# Altium PCB 电解模块主控板SC_V1.1_ZM_20211015.PcbDoc (part 3 of 4) (continued)
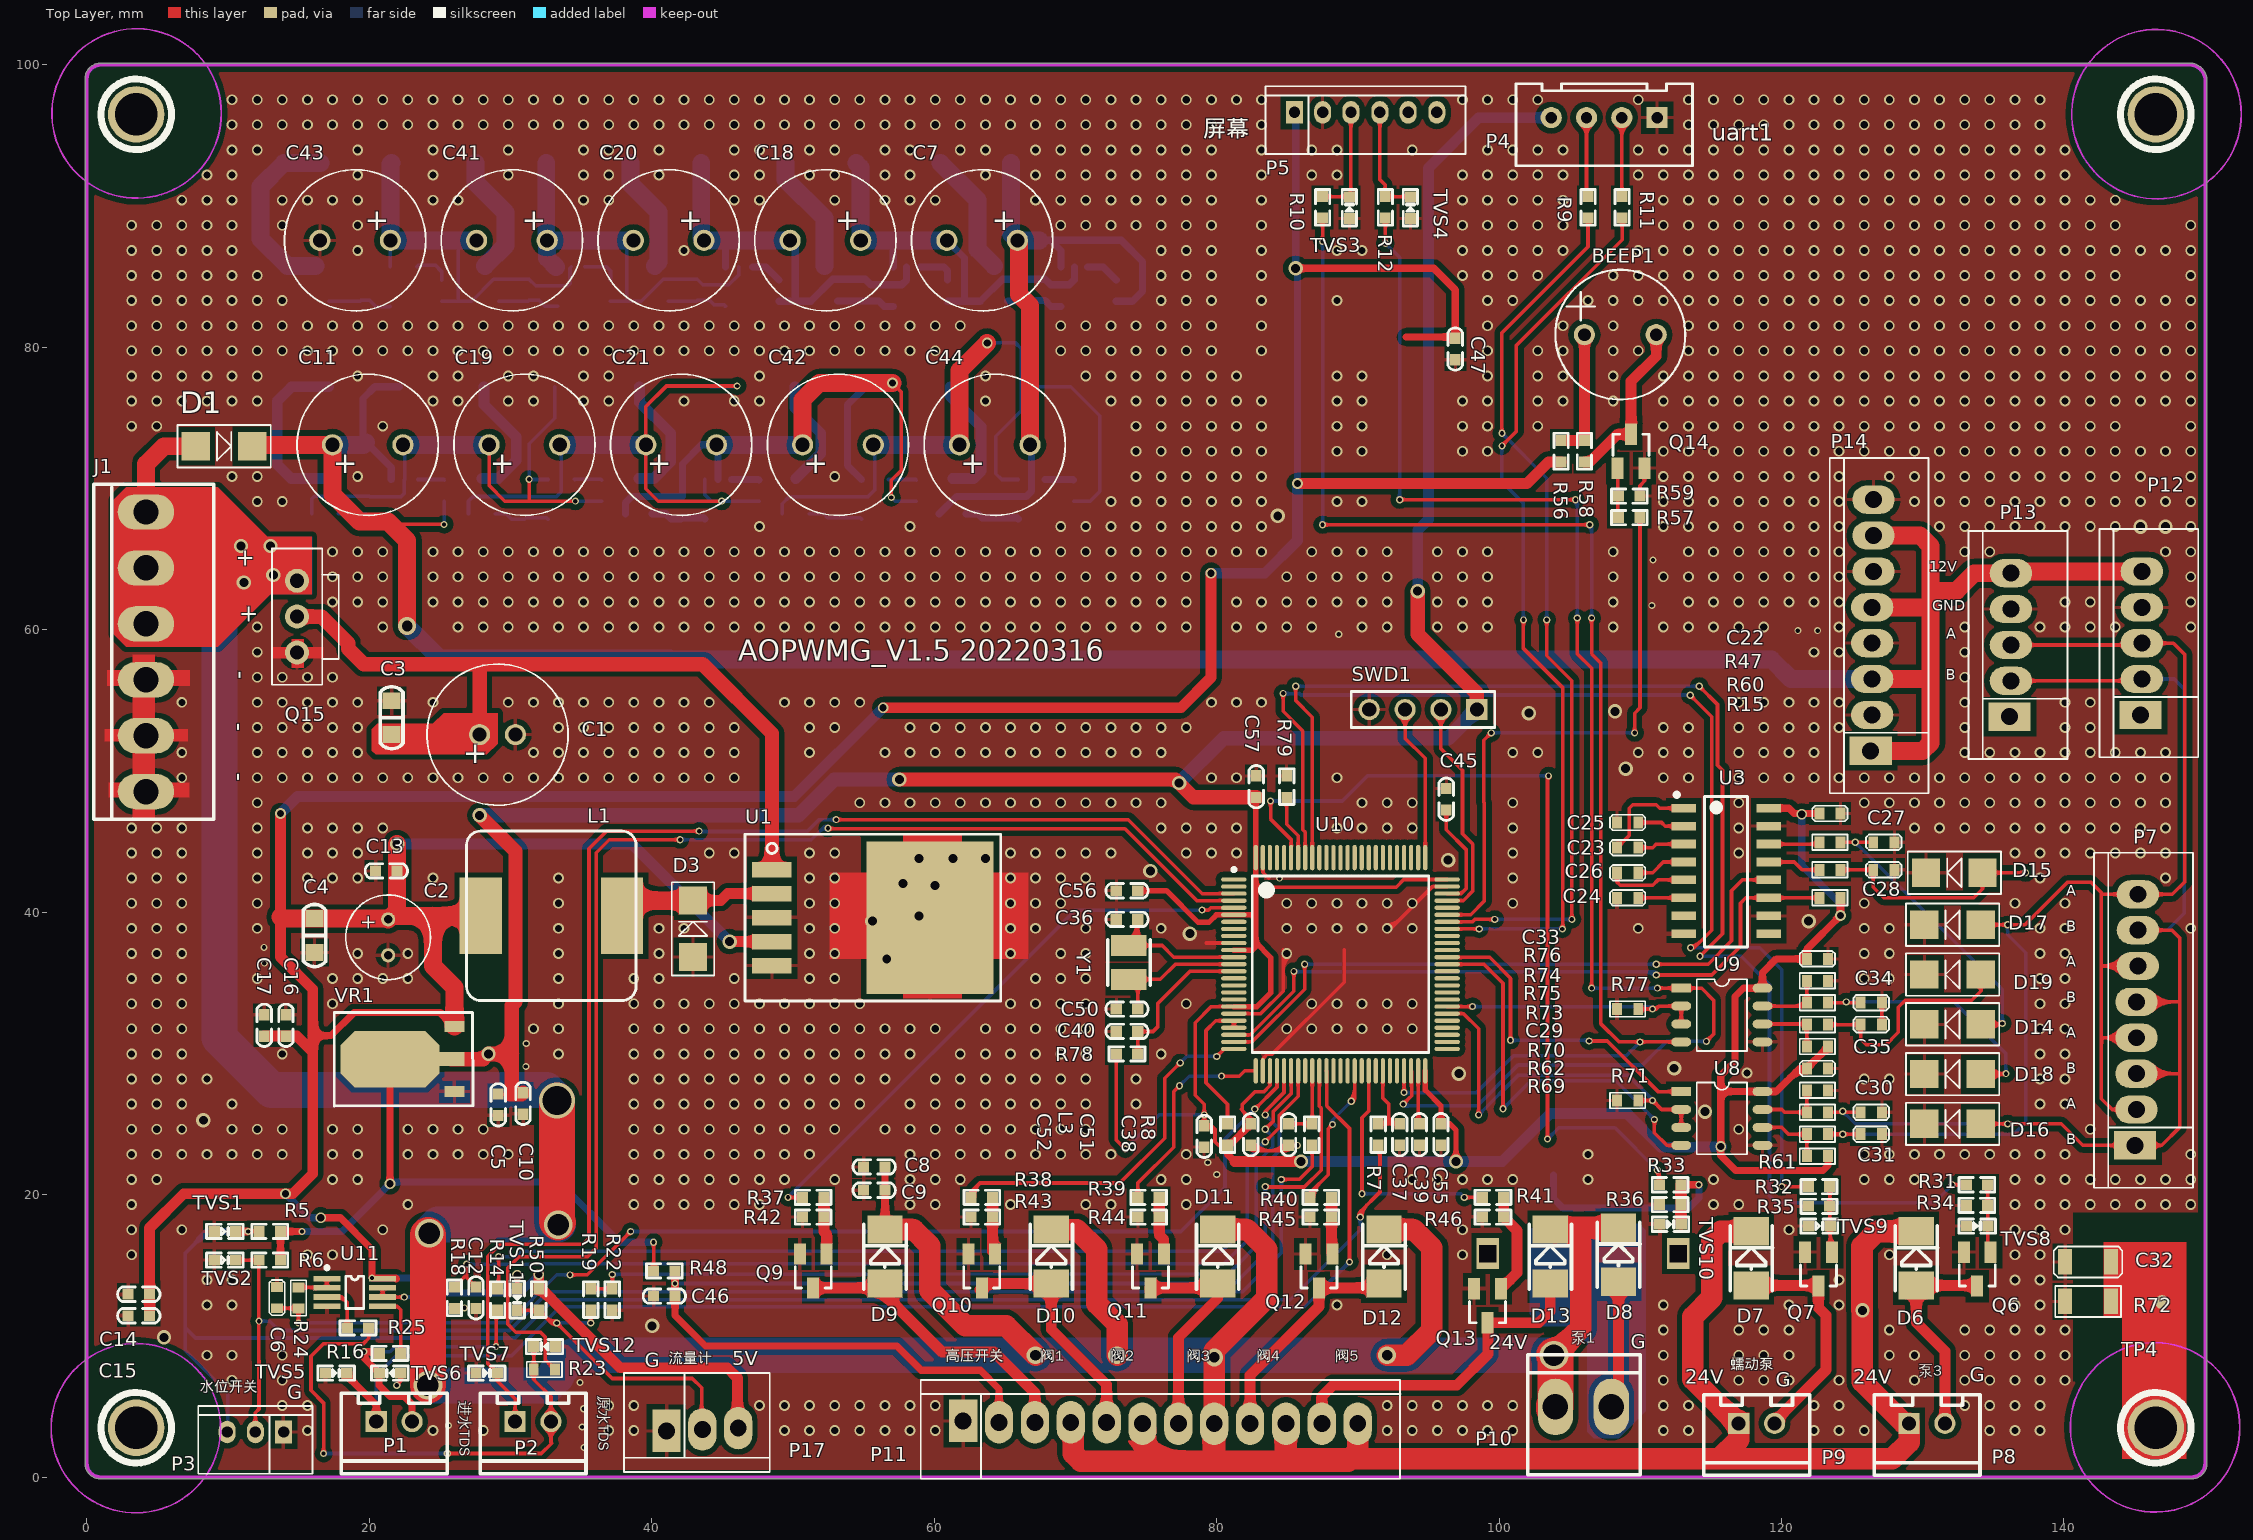
[diagram p0: Top Layer view]
## Nets (pads, with @x,y where several pads share a name; then routed paths per layer and width w, separated by ;. In a path a pad name is that pad's centre, name@x,y a point inside that pad or via, vN(x,y) a via of type N, cw(c..) or ccw(c..) an arc to the next point about the centre after c; other vN are vias at no path point) (continued)
  Bottom Layer w0.254: v2(98.592,38.822) v2(104.481,38.822) ; v2@98.682,38.732 cw(c98.899,38.515) 98.899,38.822 cw(c98.899,39.129) v2@98.682,38.912 ; v2@100.113,72.935 cw(c99.896,72.718) 100.203,72.718 cw(c100.51,72.718) v2@100.293,72.935 ; v2(100.203,73.025) 100.203,70.485 101.727,68.961 v2(101.727,60.706) ; v2@101.637,60.796 ccw(c101.42,61.013) 101.727,61.013 ccw(c102.034,61.013) v2@101.817,60.796 ; v2@104.391,38.732 ccw(c104.174,38.515) 104.174,38.822 ccw(c104.174,39.129) v2@104.391,38.912
NetR14_1: R14.1 U10.32 | length 71.6
  Top Layer w0.254: R14.1@28.903,13.534 ccw(c28.286,14.151) 29.159,14.151 ; v2@29.069,15.531 cw(c28.853,15.314) 29.159,15.314 cw(c29.466,15.314) v2@29.249,15.531 ; R14.1@29.083,13.335 29.159,13.411 v2(29.159,15.621) ; 29.159,13.783 ccw(c29.512,13.783) R14.1@29.263,13.534 ; v2(83.439,23.749) 84.43,24.74 84.43,25.629 85.773,26.972 U10.32@85.773,28.772 ; v2@83.439,23.876 ccw(c83.439,24.183) 83.656,23.966 ccw(c83.873,23.749) v2@83.566,23.749
  Bottom Layer w0.254: v2(29.159,15.621) 30.353,15.621 30.734,16.002 80.391,16.002 82.169,17.78 82.169,22.479 v2(83.439,23.749) ; v2@29.249,15.531 cw(c29.466,15.314) 29.466,15.621 cw(c29.466,15.928) v2@29.249,15.711 ; v2@83.312,23.749 cw(c83.005,23.749) 83.222,23.532 cw(c83.439,23.315) v2@83.439,23.622
NetR16_2: R16.2 U11.5 | length 5.9
  Top Layer w0.254: U11.5@20.949,12.106 21.981,12.106 22.225,11.862 R16.2@22.225,8.763 ; U11.5@21.728,12.039 cw(c21.871,11.714) 22.122,11.965 ; R16.2@22.045,8.943 ccw(c21.612,9.376) 22.225,9.376 ccw(c22.838,9.376) R16.2@22.405,8.943
NetR18_2: R18.2 U11.6 U11.7 | length 9.4
  Top Layer w0.254: U11.6@20.949,12.756 U11.7@20.949,13.406 ; 21.914,12.756 21.919,12.751 v2(22.479,12.751) ; v2@22.389,12.661 ccw(c22.172,12.444) 22.172,12.751 ccw(c22.172,13.057) v2@22.389,12.841 ; R18.2@26.035,11.938 26.086,11.989 v2(26.746,11.989) ; R18.2@26.215,11.777 cw(c26.725,11.267) v2@26.725,11.989 ; R18.2@26.215,12.137 ccw(c26.571,12.493) v2@26.571,11.989 ; v2@26.656,11.899 ccw(c26.44,11.682) 26.44,11.989 ccw(c26.44,12.295) v2@26.656,12.079
  Bottom Layer w0.254: v2(22.479,12.751) 24.323,12.751 24.328,12.756 25.095,11.989 v2(26.746,11.989) ; v2@22.569,12.661 cw(c22.786,12.444) 22.786,12.751 cw(c22.786,13.057) v2@22.569,12.841 ; v2@26.656,11.899 ccw(c26.44,11.682) 26.44,11.989 ccw(c26.44,12.295) v2@26.656,12.079
NetR19_2: R19.2 R22.2 U10.35 | length 69.5
  Top Layer w0.254: R19.2@35.687,13.335 R22.2@37.211,13.335 v2(37.211,14.351) ; R19.2@35.867,13.155 cw(c36.3,12.722) 36.3,13.335 cw(c36.3,13.948) R19.2@35.867,13.515 ; R22.2@37.031,13.155 ccw(c36.598,12.722) 36.598,13.335 ccw(c36.598,13.948) R22.2@37.031,13.515 ; R22.2@37.031,13.534 ccw(c36.598,13.967) 37.211,13.967 ccw(c37.824,13.967) R22.2@37.391,13.534 ; v2@37.121,14.261 cw(c36.904,14.044) 37.211,14.044 cw(c37.518,14.044) v2@37.301,14.261 ; v2(83.439,20.574) 83.464,20.549 86.208,20.549 87.401,21.742 87.401,26.137 87.273,26.265 U10.35@87.273,28.772 ; v2@83.529,20.664 ccw(c83.807,20.942) 83.807,20.549
  Bottom Layer w0.254: v2(37.211,14.351) 80.835,14.414 83.439,17.018 v2@83.439,20.447 ; v2@37.301,14.261 cw(c37.518,14.045) 37.518,14.351 cw(c37.517,14.658) v2@37.301,14.441 ; v2@83.349,20.484 cw(c83.132,20.267) 83.439,20.267 cw(c83.746,20.267) v2@83.529,20.484
NetR23_1: R23.1 U10.4 | length 95.1
  Top Layer w0.254: R23.1@33.147,7.62 32.461,8.306 32.461,9.931 32.131,10.262 30.378,10.262 29.82,10.82 29.82,14.834 30.582,15.596 35.433,15.596 36.068,16.231 36.068,44.221 36.982,45.136 v2(42.012,45.136) ; v2@41.922,45.046 ccw(c41.705,44.829) 41.705,45.136 ccw(c41.705,45.442) v2@41.922,45.226 ; v2(52.476,45.949) 52.502,45.923 73.508,45.923 78.609,40.822 U10.4@81.223,40.822 ; v2@52.566,46.038 ccw(c52.844,46.317) 52.844,45.923
  Bottom Layer w0.254: v2(42.012,45.136) 51.308,45.136 52.121,45.949 v2(52.476,45.949) ; v2@42.101,45.046 cw(c42.318,44.829) 42.318,45.136 cw(c42.318,45.442) v2@42.101,45.226 ; 51.943,45.771 cw(c52.223,45.491) v2@52.415,45.837 ; 52.182,46.009 cw(c52.393,45.798) v2@52.538,46.06 ; v2@52.387,45.859 ccw(c52.17,45.642) 52.17,45.949 ccw(c52.17,46.255) v2@52.387,46.038
NetR24_2: R24.2 U11.1 U11.2 | length 3.7
  Top Layer w0.254: R24.2@14.986,13.438 U11.2@16.999,13.438 ; R24.2@15.219,13.28 cw(c15.599,12.9) 15.599,13.438 cw(c15.599,13.976) R24.2@15.219,13.596 ; 15.995,13.438 cw(c15.995,13.153) U11.2@16.197,13.354 ; U11.2@16.999,13.406 U11.2@16.999,13.438 ; U11.1@16.999,14.056 U11.2@16.999,13.438
NetR25_2: R25.2 U11.3 | length 5.6
  Top Layer w0.254: U11.3@16.999,12.756 18.054,12.756 18.44,12.37 R25.2@18.44,10.566 ; U11.3@17.749,12.683 cw(c17.749,11.769) 18.395,12.415 ; U11.3@17.777,12.689 cw(c17.928,12.325) 18.207,12.603 ; R25.2@18.261,10.746 ccw(c17.827,11.18) 18.44,11.18 ccw(c19.054,11.18) R25.2@18.62,10.746
NetR26_2: R26.2 U2.3 | length 1.9
  Bottom Layer w0.254: U2.3@23.454,70.644 25.285,70.644 R26.2@25.324,70.605
NetR27_2: R27.2 U4.3 | length 2.4
  Bottom Layer w0.508: U4.3@70.876,85.7 71.97,85.7 R27.2@72.898,84.772
NetR31_2: R31.2 U10.92 | length 101.9
  Top Layer w0.254: v2@85.508,55.917 cw(c85.291,55.7) 85.598,55.7 cw(c85.905,55.7) v2@85.688,55.917 ; v2(85.598,56.007) 85.598,54.991 86.773,53.816 U10.92@86.773,43.872 ; v2@114.173,55.88 cw(c114.173,55.573) 114.39,55.79 cw(c114.607,56.007) v2@114.3,56.007 ; v2(114.173,56.007) 115.468,54.712 115.468,50.419 115.824,50.063 115.824,38.481 v2(114.224,36.881) ; v2@114.224,37.008 ccw(c114.224,37.314) 114.441,37.098 ccw(c114.657,36.881) v2@114.351,36.881 ; v2(132.08,20.701) R31.2@133.071,20.701 ; v2@132.17,20.611 cw(c132.387,20.394) 132.387,20.701 cw(c132.387,21.008) v2@132.17,20.791 ; R31.2@132.872,20.521 ccw(c132.438,20.088) 132.438,20.701 ccw(c132.438,21.314) R31.2@132.872,20.881
  Bottom Layer w0.254: v2(85.598,56.007) v2(114.173,56.007) ; v2@85.688,55.917 cw(c85.905,55.7) 85.905,56.007 cw(c85.905,56.314) v2@85.688,56.097 ; v2@114.083,55.917 ccw(c113.866,55.7) 113.866,56.007 ccw(c113.866,56.314) v2@114.083,56.097 ; v2(114.224,36.881) 117.145,36.881 119.151,34.874 119.151,19.914 119.634,19.431 130.81,19.431 v2(132.08,20.701) ; v2@114.314,36.791 cw(c114.53,36.574) 114.53,36.881 cw(c114.53,37.187) v2@114.314,36.971 ; v2@131.953,20.701 cw(c131.646,20.701) 131.863,20.484 cw(c132.08,20.267) v2@132.08,20.574
NetR32_2: R32.2 U10.93 | length 89.7
  Top Layer w0.254: v2@84.619,55.409 cw(c84.402,55.192) 84.709,55.192 cw(c85.016,55.192) v2@84.799,55.409 ; v2(84.709,55.499) 84.709,54.229 86.106,52.832 86.106,45.847 86.273,45.68 U10.93@86.273,43.872 ; v2@113.538,55.245 cw(c113.538,54.938) 113.755,55.155 cw(c113.972,55.372) v2@113.665,55.372 ; v2(113.538,55.372) 115.062,53.848 115.062,38.735 113.817,37.49 v2(113.563,37.49) ; v2@113.563,37.617 ccw(c113.563,38.537) 114.214,37.887 ; v2(120.015,20.574) R32.2@121.895,20.574 ; v2@120.105,20.484 cw(c120.322,20.267) 120.322,20.574 cw(c120.322,20.881) v2@120.105,20.664 ; R32.2@121.696,20.394 ccw(c121.262,19.961) 121.262,20.574 ccw(c121.262,21.187) R32.2@121.696,20.754
  Bottom Layer w0.254: v2(84.709,55.499) 84.734,55.474 85.819,55.474 85.844,55.499 85.958,55.385 113.525,55.385 v2(113.538,55.372) ; v2@84.799,55.589 ccw(c85.077,55.867) 85.077,55.474 ; 113.199,55.385 cw(c113.199,55.033) v2@113.448,55.282 ; 113.264,55.385 ccw(c113.264,55.646) v2@113.448,55.462 ; v2(113.563,37.49) 118.466,37.49 120.015,35.941 v2(120.015,20.574) ; v2@113.653,37.401 cw(c113.87,37.184) 113.87,37.49 cw(c113.87,37.797) v2@113.653,37.58 ; v2@119.925,20.664 ccw(c119.708,20.881) 120.015,20.881 ccw(c120.322,20.881) v2@120.105,20.664
NetR33_2: R33.2 U10.95 | length 66.4
  Top Layer w0.254: v2@83.73,47.789 cw(c83.513,47.572) 83.82,47.572 cw(c84.127,47.572) v2@83.91,47.789 ; v2(83.82,47.879) 83.82,46.609 85.273,45.156 U10.95@85.273,43.872 ; v2@103.339,24.042 ccw(c103.122,24.259) 103.429,24.259 ccw(c103.735,24.259) v2@103.519,24.042 ; v2(103.429,23.952) 103.429,49.581 v2(103.505,49.657) ; 103.429,49.166 cw(c103.996,49.166) v2@103.595,49.567 ; v2@111.111,21.653 cw(c110.527,21.068) R33.2@111.354,21.068 ; R33.2@111.174,20.881 ccw(c110.74,21.314) 111.354,21.314 ccw(c111.967,21.314) R33.2@111.533,20.881 ; v2@111.185,21.616 cw(c111.16,21.424) 111.354,21.424 ; v2@111.201,21.615 111.354,21.463 R33.2@111.354,20.701
  Bottom Layer w0.254: v2(83.82,47.879) 88.9,47.879 90.678,49.657 v2(103.505,49.657) ; v2@83.91,47.789 cw(c84.127,47.572) 84.127,47.879 cw(c84.127,48.186) v2@83.91,47.969 ; v2@103.415,49.567 ccw(c103.198,49.35) 103.198,49.657 ccw(c103.198,49.964) v2@103.415,49.747 ; v2(103.429,23.952) 104.216,24.74 108.204,24.74 v2(111.201,21.742) ; v2@103.429,24.079 ccw(c103.429,24.386) 103.646,24.169 ccw(c103.862,23.952) v2@103.556,23.952 ; v2@111.074,21.742 ccw(c110.768,21.742) 110.984,21.959 ccw(c111.201,22.176) v2@111.201,21.869 ; v2@111.125,21.666 v2@111.201,21.59
NetR37_2: R37.2 U10.5 | length 43
  Top Layer w0.254: v2(49.657,19.812) R37.2@50.673,19.812 ; v2@49.747,19.722 cw(c49.964,19.505) 49.964,19.812 cw(c49.964,20.119) v2@49.747,19.902 ; R37.2@50.474,19.632 ccw(c50.041,19.199) 50.041,19.812 ccw(c50.041,20.425) R37.2@50.474,19.992 ; v2(78.969,40.157) 79.419,40.157 79.584,40.322 U10.5@81.223,40.322 ; v2@79.058,40.068 cw(c79.275,39.851) 79.275,40.157 cw(c79.275,40.464) v2@79.058,40.247
  Bottom Layer w0.254: v2(49.657,19.812) 70.002,40.157 v2(78.969,40.157)
NetR38_2: R38.2 U10.25 | length 29.6
  Top Layer w0.254: R38.2@62.611,19.812 62.611,20.193 63.246,20.828 ; R38.2@62.63,19.812 cw(c63.422,19.88) 62.86,20.442 ; R38.2@62.883,19.834 cw(c64.133,19.941) 63.246,20.828 ; v2@77.292,29.337 cw(c76.986,29.337) 77.202,29.12 cw(c77.419,28.903) v2@77.419,29.21 ; v2(77.419,29.337) 76.327,28.245 76.327,24.003 73.152,20.828 63.246,20.828 ; v2(80.01,29.794) 80.538,30.322 U10.25@81.223,30.322 ; v2@80.01,29.921 ccw(c80.01,30.228) 80.227,30.011 ccw(c80.444,29.794) v2@80.137,29.794 ; 80.388,30.172 ccw(c80.238,30.322) U10.25@80.45,30.322
  Bottom Layer w0.254: v2(77.419,29.337) 77.876,29.794 v2(80.01,29.794) ; v2@77.419,29.464 ccw(c77.419,29.771) 77.636,29.554 ccw(c77.853,29.337) v2@77.546,29.337 ; v2@79.92,29.704 ccw(c79.703,29.488) 79.703,29.794 ccw(c79.703,30.101) v2@79.92,29.884
NetR39_2: R39.2 U10.26 | length 17.9
  Top Layer w0.254: R39.2@74.242,19.992 ccw(c73.809,20.425) 74.422,20.425 ccw(c75.035,20.425) R39.2@74.602,19.992 ; R39.2@74.422,19.812 74.422,20.828 76.962,23.368 76.962,27.305 v2(77.368,27.711) ; v2@77.241,27.711 cw(c76.935,27.711) 77.152,27.495 cw(c77.368,27.278) v2@77.368,27.584 ; v2(80.34,28.397) 81.61,28.397 81.985,28.772 U10.26@82.773,28.772 ; v2@80.43,28.307 cw(c80.647,28.091) 80.647,28.397 cw(c80.647,28.704) v2@80.43,28.487
  Bottom Layer w0.254: v2(77.368,27.711) 78.054,28.397 v2(80.34,28.397) ; v2@77.368,27.838 ccw(c77.368,28.145) 77.585,27.928 ccw(c77.802,27.711) v2@77.495,27.711 ; v2@80.25,28.307 ccw(c80.034,28.091) 80.034,28.397 ccw(c80.034,28.704) v2@80.25,28.487
NetR40_2: R40.2 U10.40 | length 14.7
  Top Layer w0.254: R40.2@86.614,19.812 86.614,20.117 87.909,21.412 87.909,24.679 v2(88.199,24.968) ; R40.2@86.633,19.812 cw(c87.415,19.812) 86.862,20.365 ; R40.2@86.887,19.812 cw(c88.282,19.812) 87.296,20.798 ; v2@88.072,24.968 cw(c87.765,24.968) 87.982,24.751 cw(c88.199,24.535) v2@88.199,24.841 ; v2@89.445,26.709 ccw(c88.654,27.5) 89.773,27.5 ; v2(89.535,26.619) 89.773,26.857 U10.40@89.773,28.772 ; v2@89.625,26.529 ccw(c89.267,26.887) 89.773,26.887
  Bottom Layer w0.254: v2@88.109,25.058 ccw(c87.892,25.275) 88.199,25.275 ccw(c88.506,25.275) v2@88.289,25.058 ; v2(88.199,24.968) 88.199,25.283 v2(89.535,26.619) ; v2@89.408,26.619 cw(c89.101,26.619) 89.318,26.402 cw(c89.535,26.186) v2@89.535,26.492
NetR41_2: R41.2 U10.42 | length 19.9
  Top Layer w0.254: v2@90.207,20.156 ccw(c89.99,20.373) 90.297,20.373 ccw(c90.604,20.373) v2@90.387,20.156 ; v2(90.297,20.066) 90.297,25.451 90.773,25.927 U10.42@90.773,28.772 ; v2(97.536,19.812) R41.2@98.806,19.812 ; v2@97.626,19.722 cw(c97.843,19.505) 97.843,19.812 cw(c97.843,20.119) v2@97.626,19.902 ; R41.2@98.607,19.632 ccw(c98.174,19.199) 98.174,19.812 ccw(c98.174,20.425) R41.2@98.607,19.992
  Bottom Layer w0.254: v2(90.297,20.066) 97.282,20.066 v2(97.536,19.812) ; v2@90.387,19.976 cw(c90.604,19.759) 90.604,20.066 cw(c90.604,20.373) v2@90.387,20.156
NetR47_1: R47.1 U3.14 | length 5.2
  Top Layer w0.254: U3.14@119.091,44.831 122.555,44.831 R47.1@122.682,44.958 ; U3.14@119.775,44.705 cw(c120.079,44.402) 120.079,44.831 cw(c120.079,45.26) U3.14@119.775,44.957 ; 122.018,44.831 ccw(c122.018,45.547) R47.1@122.524,45.041 ; 122.269,44.831 cw(c122.269,44.47) R47.1@122.524,44.725
NetR57_1: R57.1 U10.70 | length 43.6
  Top Layer w0.254: U10.70@96.323,39.822 97.988,39.822 98.958,40.792 98.958,47.752 98.908,47.803 98.908,52.172 v2(99.441,52.705) ; v2@99.314,52.705 cw(c99.007,52.705) 99.224,52.488 cw(c99.441,52.271) v2@99.441,52.578 ; v2@109.511,52.795 ccw(c109.294,53.012) 109.601,53.012 ccw(c109.908,53.012) v2@109.691,52.795 ; v2(109.601,52.705) 109.601,54.102 109.982,54.483 R57.1@109.982,67.945 ; R57.1@109.802,67.765 cw(c109.369,67.332) 109.982,67.332 cw(c110.595,67.332) R57.1@110.162,67.765
  Bottom Layer w0.254: v2(99.441,52.705) v2(109.601,52.705) ; v2@99.531,52.615 cw(c99.748,52.398) 99.748,52.705 cw(c99.748,53.012) v2@99.531,52.795 ; v2@109.511,52.615 ccw(c109.294,52.398) 109.294,52.705 ccw(c109.294,53.012) v2@109.511,52.795
NetR60_1: R60.1 U3.13 | length 5.3
  Top Layer w0.254: U3.13@119.091,43.561 120.904,43.561 121.454,43.011 R60.1@122.682,43.011 ; U3.13@119.775,43.435 cw(c120.079,43.132) 120.079,43.561 cw(c120.079,43.99) U3.13@119.775,43.687 ; R60.1@122.524,42.853 ccw(c122.144,42.472) 122.144,43.011 ccw(c122.144,43.549) R60.1@122.524,43.168
NetR61_1: R61.1 R69.1 U8.6 | length 8.2
  Top Layer w0.254: U8.6@118.653,24.765 120.015,24.765 120.495,24.285 R69.1@121.793,24.285 R61.1@121.793,22.733 ; U8.6@119.169,24.63 cw(c119.494,24.305) 119.494,24.765 cw(c119.494,25.225) U8.6@119.169,24.9 ; R61.1@121.635,22.966 ccw(c121.255,23.346) 121.793,23.346 ccw(c122.331,23.346) R61.1@121.951,22.966 ; R69.1@121.635,24.053 cw(c121.255,23.672) 121.793,23.672 cw(c122.331,23.672) R69.1@121.951,24.053 ; R69.1@121.635,24.128 ccw(c121.255,23.747) 121.255,24.285 ccw(c121.255,24.824) R69.1@121.635,24.443
NetR62_1: R62.1 R70.1 U8.7 | length 8
  Top Layer w0.254: U8.7@118.653,26.035 120.015,26.035 120.213,25.837 R62.1@121.793,25.837 R70.1@121.793,27.39 ; U8.7@119.169,25.9 cw(c119.494,25.575) 119.494,26.035 cw(c119.494,26.495) U8.7@119.169,26.17 ; R62.1@121.635,25.68 ccw(c121.255,25.299) 121.255,25.837 ccw(c121.255,26.376) R62.1@121.635,25.995 ; R62.1@121.635,26.07 ccw(c121.255,26.451) 121.793,26.451 ccw(c122.331,26.451) R62.1@121.951,26.07 ; R70.1@121.635,27.157 cw(c121.255,26.776) 121.793,26.776 cw(c122.331,26.776) R70.1@121.951,27.157
NetR64_2: R64.2 U5.3 | length 2
  Bottom Layer w0.254: U5.3@34.554,70.644 34.535,70.663 36.404,70.663 R64.2@36.462,70.605
NetR65_2: R65.2 U6.3 | length 2.7
  Bottom Layer w0.508: U6.3@59.002,85.7 60.681,85.7 60.954,85.427 R65.2@60.954,84.772
NetR73_1: R73.1 R75.1 U9.6 | length 8
  Top Layer w0.254: U9.6@118.653,32.089 121.75,32.089 R75.1@121.793,32.046 R73.1@121.793,30.494 ; U9.6@119.169,31.954 cw(c119.494,31.629) 119.494,32.089 cw(c119.494,32.549) U9.6@119.169,32.224 ; 121.176,32.089 ccw(c121.176,32.738) R75.1@121.635,32.279 ; 121.333,32.089 cw(c121.333,31.661) R75.1@121.635,31.964 ; R73.1@121.635,30.727 ccw(c121.255,31.107) 121.793,31.107 ccw(c122.331,31.107) R73.1@121.951,30.727 ; R75.1@121.635,31.814 cw(c121.255,31.433) 121.793,31.433 cw(c122.331,31.433) R75.1@121.951,31.814
NetR74_1: R74.1 R76.1 U9.7 | length 8.5
  Top Layer w0.254: U9.7@118.653,33.359 121.553,33.359 R74.1@121.793,33.599 R76.1@121.793,35.151 ; U9.7@119.169,33.224 cw(c119.494,32.899) 119.494,33.359 cw(c119.494,33.819) U9.7@119.169,33.494 ; 120.857,33.359 ccw(c120.857,34.459) R74.1@121.635,33.681 ; R74.1@121.47,33.359 ccw(c121.47,33.846) R74.1@121.815,33.502 ; R74.1@121.635,33.831 ccw(c121.255,34.212) 121.793,34.212 ccw(c122.331,34.212) R74.1@121.951,33.831 ; R76.1@121.635,34.918 cw(c121.255,34.537) 121.793,34.537 cw(c122.331,34.537) R76.1@121.951,34.918
NetR79_2: R79.2 U10.94 | length 5.6
  Top Layer w0.254: R79.2@84.783,47.934 cw(c84.35,47.501) 84.963,47.501 cw(c85.576,47.501) R79.2@85.143,47.934 ; R79.2@84.963,48.133 84.963,46.228 85.773,45.418 U10.94@85.773,43.872
NetR87_2: R87.2 U7.3 | length 2
  Bottom Layer w0.508: U7.3@45.654,70.644 47.561,70.644 R87.2@47.6,70.605
NetR88_2: R88.2 U12.3 | length 2.3
  Bottom Layer w0.508: U12.3@47.127,85.7 48.081,85.7 R88.2@49.009,84.772
NetR99_2: R99.2 U13.3 | length 2
  Bottom Layer w0.254: U13.3@56.754,70.644 58.699,70.644 R99.2@58.737,70.605
NetR100_2: R100.2 U14.3 | length 2.6
  Bottom Layer w0.254: U14.3@35.253,85.7 36.805,85.7 37.084,85.42 37.084,84.791 R100.2@37.065,84.772
NetR111_2: R111.2 U15.3 | length 2
  Bottom Layer w0.508: U15.3@67.854,70.644 69.836,70.644 R111.2@69.875,70.605
NetR112_2: R112.2 U16.3 | length 2.6
  Bottom Layer w0.254: U16.3@23.378,85.7 23.505,85.827 24.663,85.827 25.121,85.369 R112.2@25.121,84.772
NetU10_1: U10.1
NetU10_2: U10.2
NetU10_38: U10.38
NetU10_39: U10.39
NetU10_41: U10.41
NetU10_43: U10.43
NetU10_45: U10.45
NetU10_46: U10.46
NetU10_51: U10.51
NetU10_52: U10.52
NetU10_53: U10.53
NetU10_54: U10.54
NetU10_58: U10.58
NetU10_59: U10.59
NetU10_61: U10.61
NetU10_62: U10.62
NetU10_65: U10.65
NetU10_66: U10.66
NetU10_71: U10.71
NetU10_78: U10.78
NetU10_79: U10.79
NetU10_80: U10.80
NetU10_81: U10.81
NetU10_82: U10.82
NetU10_83: U10.83
NetU10_85: U10.85
NetU10_86: U10.86
NetU10_87: U10.87
NetU10_88: U10.88
NetU10_89: U10.89
NetU10_90: U10.90
NetU10_91: U10.91
RXD1_485: U8.1 U10.64 | length 25.7
  Top Layer w0.254: U10.64@96.323,36.822 96.34,36.805 99.339,36.805 100.838,35.306 100.813,35.281 v2(100.813,30.937) ; v2@100.723,31.027 ccw(c100.506,31.244) 100.813,31.244 ccw(c101.119,31.244) v2@100.902,31.027 ; v2(106.375,30.886) 107.671,30.886 111.252,27.305 U8.1@112.903,27.305 ; v2@106.465,30.797 cw(c106.682,30.58) 106.682,30.886 cw(c106.682,31.193) v2@106.465,30.976 ; U8.1@112.387,27.17 ccw(c112.062,26.845) 112.062,27.305 ccw(c112.062,27.765) U8.1@112.387,27.44
  Bottom Layer w0.254: v2(100.813,30.937) 106.324,30.937 v2(106.375,30.886) ; v2@100.902,30.847 cw(c101.119,30.631) 101.119,30.937 cw(c101.119,31.244) v2@100.902,31.027 ; 105.946,30.937 cw(c105.946,30.457) v2@106.285,30.797
RXD2_485: R12.2 U9.1 U10.48 | length 116.3
  Top Layer w0.254: R12.2@91.768,88.955 cw(c91.335,88.522) 91.948,88.522 cw(c92.561,88.522) R12.2@92.128,88.955 ; v2@91.858,87.466 ccw(c91.641,87.683) 91.948,87.683 ccw(c92.255,87.683) v2@92.038,87.466 ; v2(91.948,87.376) R12.2@91.948,89.154 ; v2(92.964,69.215) v2(105.41,69.215) ; v2@93.054,69.125 cw(c93.271,68.908) 93.271,69.215 cw(c93.271,69.522) v2@93.054,69.305 ; v2(93.218,26.416) 93.662,26.86 93.662,26.868 93.806,27.012 93.806,28.739 U10.48@93.773,28.772 ; v2@93.218,26.543 ccw(c93.218,26.85) 93.435,26.633 ccw(c93.652,26.416) v2@93.345,26.416 ; v2@105.32,69.125 ccw(c105.103,68.908) 105.103,69.215 ccw(c105.103,69.522) v2@105.32,69.305 ; v2@105.447,60.743 cw(c105.23,60.526) 105.537,60.526 cw(c105.844,60.526) v2@105.627,60.743 ; v2(105.537,60.833) 105.537,58.293 106.553,57.277 v2(106.553,34.629) ; v2@106.463,34.719 ccw(c106.246,34.936) 106.553,34.936 ccw(c106.86,34.936) v2@106.643,34.719 ; v2(111.21,34.629) U9.1@112.903,34.629 114.342,34.629 115.189,33.782 115.189,31.369 v2(114.681,30.861) ; v2@111.3,34.539 cw(c111.517,34.322) 111.517,34.629 cw(c111.517,34.936) v2@111.3,34.719 ; U9.1@112.387,34.494 ccw(c112.062,34.169) 112.062,34.629 ccw(c112.062,35.089) U9.1@112.387,34.764 ; U9.1@113.419,34.494 cw(c113.744,34.169) 113.744,34.629 cw(c113.744,35.089) U9.1@113.419,34.764 ; v2@114.681,30.988 ccw(c114.681,31.295) 114.898,31.078 ccw(c115.115,30.861) v2@114.808,30.861
  Bottom Layer w0.254: v2@91.948,87.249 cw(c91.948,86.942) 92.165,87.159 cw(c92.382,87.376) v2@92.075,87.376 ; v2(91.948,87.376) 92.964,86.36 v2(92.964,69.215) ; v2@92.874,69.305 ccw(c92.657,69.522) 92.964,69.522 ccw(c93.271,69.522) v2@93.054,69.305 ; v2(93.218,26.416) 93.345,26.289 98.45,26.289 101.346,29.185 110.16,29.185 111.303,30.328 ; v2@93.308,26.506 ccw(c93.831,27.029) 93.831,26.289 ; v2@105.32,69.125 cw(c104.797,68.602) 105.537,68.602 ; v2(105.41,69.215) 105.537,69.088 v2(105.537,60.833) ; v2@105.447,60.923 ccw(c105.23,61.14) 105.537,61.14 ccw(c105.844,61.14) v2@105.627,60.923 ; v2(106.553,34.629) v2(111.21,34.629) ; v2@106.643,34.539 cw(c106.86,34.322) 106.86,34.629 cw(c106.86,34.936) v2@106.643,34.719 ; v2@111.12,34.539 ccw(c110.903,34.322) 110.903,34.629 ccw(c110.903,34.936) v2@111.12,34.719 ; 111.328,30.302 111.887,30.861 v2(114.681,30.861) ; v2@114.591,30.771 ccw(c114.374,30.554) 114.374,30.861 ccw(c114.374,31.168) v2@114.591,30.951
RXD_233: U3.12 U10.24 | length 48.5
  Top Layer w0.254: U10.24@81.223,30.822 82.511,30.822 86.233,34.544 v2(86.233,36.322) ; v2@86.143,36.232 cw(c85.926,36.015) 86.233,36.015 cw(c86.54,36.015) v2@86.323,36.232 ; v2(111.125,36.322) 114.808,36.322 116.459,37.973 116.459,41.529 117.221,42.291 U3.12@119.091,42.291 ; v2@111.215,36.232 cw(c111.432,36.015) 111.432,36.322 cw(c111.432,36.629) v2@111.215,36.412 ; U3.12@118.406,42.165 ccw(c118.103,41.862) 118.103,42.291 ccw(c118.103,42.72) U3.12@118.406,42.417
  Bottom Layer w0.254: v2(86.233,36.322) v2(111.125,36.322) v2@111.252,36.322 ; v2@86.323,36.232 cw(c86.54,36.015) 86.54,36.322 cw(c86.54,36.629) v2@86.323,36.412 ; v2@111.035,36.232 ccw(c110.818,36.015) 110.818,36.322 ccw(c110.818,36.629) v2@111.035,36.412
SWCLK: SWD1.3 U10.76 | length 11.1
  Top Layer w0.254: SWD1.3@93.345,54.356 93.345,52.324 94.773,50.896 U10.76@94.773,43.872
SWDIO: SWD1.2 U10.72 | length 15.9
  Top Layer w0.254: SWD1.2@95.885,54.356 95.885,51.57 97.409,50.046 97.409,45.568 98.146,44.831 98.146,41.504 97.464,40.822 U10.72@96.323,40.822
TXD1_485: U8.4 U10.63 | length 32
  Top Layer w0.254: U10.63@96.323,36.322 98.933,36.322 100.279,34.976 v2(100.279,26.086) ; v2@100.189,26.176 ccw(c99.973,26.392) 100.279,26.392 ccw(c100.586,26.392) v2@100.369,26.176 ; v2@110.908,25.234 cw(c110.691,25.017) 110.998,25.017 cw(c111.305,25.017) v2@111.088,25.234 ; v2@110.998,25.349 v2(110.998,25.324) 110.998,24.384 111.887,23.495 U8.4@112.903,23.495 ; U8.4@112.387,23.36 ccw(c112.062,23.035) 112.062,23.495 ccw(c112.062,23.955) U8.4@112.387,23.63
  Bottom Layer w0.254: v2(100.279,26.086) 102.26,28.067 108.255,28.067 v2(110.998,25.324) v2@111.049,25.273 ; v2@100.279,26.213 ccw(c100.279,26.519) 100.496,26.303 ccw(c100.713,26.086) v2@100.406,26.086 ; v2@110.871,25.324 ccw(c110.564,25.324) 110.781,25.541 ccw(c110.998,25.757) v2@110.998,25.451
TXD2_485: R10.2 U9.4 U10.47 | length 109.9
  Top Layer w0.254: R10.2@87.323,88.955 cw(c86.89,88.522) 87.503,88.522 cw(c88.116,88.522) R10.2@87.683,88.955 ; v2@87.413,87.593 ccw(c87.196,87.81) 87.503,87.81 ccw(c87.81,87.81) v2@87.593,87.593 ; v2(87.503,67.437) v2(106.426,67.437) ; v2(87.503,87.503) R10.2@87.503,89.154 ; v2@87.593,67.347 cw(c87.81,67.13) 87.81,67.437 cw(c87.81,67.744) v2@87.593,67.527 ; v2@93.183,27.323 ccw(c92.966,27.54) 93.273,27.54 ccw(c93.58,27.54) v2@93.363,27.323 ; v2(93.273,27.233) U10.47@93.273,28.772 ; v2@106.336,67.347 ccw(c106.119,67.13) 106.119,67.437 ccw(c106.119,67.744) v2@106.336,67.527 ; v2@106.463,60.743 cw(c106.246,60.526) 106.553,60.526 cw(c106.86,60.526) v2@106.643,60.743 ; v2(106.553,60.833) 106.553,58.293 107.188,57.658 107.188,32.131 108.5,30.819 v2(109.982,30.819) U9.4@112.903,30.819 ; v2@109.892,30.729 ccw(c109.675,30.512) 109.675,30.819 ccw(c109.675,31.126) v2@109.892,30.909 ; v2@110.072,30.729 cw(c110.289,30.512) 110.289,30.819 cw(c110.289,31.126) v2@110.072,30.909 ; U9.4@112.387,30.684 ccw(c112.062,30.359) 112.062,30.819 ccw(c112.062,31.279) U9.4@112.387,30.954
  Bottom Layer w0.254: v2@87.413,67.527 ccw(c87.196,67.744) 87.503,67.744 ccw(c87.81,67.744) v2@87.593,67.527 ; v2@87.413,87.413 cw(c87.196,87.196) 87.503,87.196 cw(c87.81,87.196) v2@87.593,87.413 ; v2(87.503,67.437) v2(87.503,87.503) ; v2(93.273,27.233) 98.404,27.233 101.016,29.845 109.017,29.845 v2@110.007,30.836 ; v2@93.363,27.143 cw(c93.58,26.926) 93.58,27.233 cw(c93.58,27.54) v2@93.363,27.323 ; v2@106.336,67.347 cw(c105.813,66.824) 106.553,66.824 ; v2(106.426,67.437) 106.553,67.31 v2(106.553,60.833) ; v2@106.463,60.923 ccw(c106.246,61.14) 106.553,61.14 ccw(c106.86,61.14) v2@106.643,60.923
TXD_232: R15.2 U3.11 U10.23 | length 53
  Top Layer w0.254: U10.23@81.223,31.322 82.376,31.322 85.471,34.417 v2(85.471,35.814) ; v2@85.381,35.724 cw(c85.164,35.507) 85.471,35.507 cw(c85.778,35.507) v2@85.561,35.724 ; v2(111.125,35.56) 115.062,35.56 117.094,37.592 117.094,40.64 117.475,41.021 U3.11@119.091,41.021 R15.2@122.682,41.021 ; v2@111.215,35.47 cw(c111.432,35.253) 111.432,35.56 cw(c111.432,35.867) v2@111.215,35.65 ; U3.11@118.406,40.895 ccw(c118.103,40.592) 118.103,41.021 ccw(c118.103,41.45) U3.11@118.406,41.147 ; U3.11@119.775,40.895 cw(c120.079,40.592) 120.079,41.021 cw(c120.079,41.45) U3.11@119.775,41.147 ; R15.2@122.524,40.863 ccw(c122.144,40.483) 122.144,41.021 ccw(c122.144,41.559) R15.2@122.524,41.179
  Bottom Layer w0.254: v2(85.471,35.814) 85.496,35.789 110.896,35.789 v2(111.125,35.56) ; v2@85.561,35.904 ccw(c85.839,36.182) 85.839,35.789 ; 110.267,35.789 cw(c110.267,34.702) v2@111.035,35.47 ; 110.88,35.789 cw(c110.88,35.315) v2@111.215,35.65
V5.0: C2.1 C4.2 C13.2 C14.2 C15.2 C16.2 C17.2 C47.2 L1.2 P5.1 P17.3 R50.1 R56.2 U1.4 U11.8 VR1.3 | length 321.9
  Top Layer w0.508: 16.002,31.267 17.297,31.267 18.923,32.893 25.047,32.893 VR1.3@26.035,31.905 ; v1(16.561,18.364) 17.958,18.364 20.193,16.129 v2(20.193,14.097) 21.873,14.097 21.914,14.056 ; 25.274,32.666 cw(c24.512,31.905) VR1.3@25.589,31.905 ; v3(85.598,85.598) 95.377,85.598 96.901,84.074 C47.2@96.901,80.645 96.815,80.731 93.415,80.731 ; v3@85.778,85.418 cw(c86.211,84.985) 86.211,85.598 cw(c86.211,86.211) v3@85.778,85.778 ; 96.433,80.731 cw(c96.433,80.196) C47.2@96.811,80.574
  Top Layer w0.762: C15.2@4.445,11.43 C14.2@4.445,12.954 4.445,17.653 6.858,20.066 v1(14.072,20.066) 14.58,20.066 16.002,21.488 16.002,30.099 ; C17.2@12.56,31.242 14.859,31.242 16.002,30.099 ; v1(13.716,46.99) 13.716,39.675 13.716,36.83 16.002,34.544 16.002,31.267 16.002,30.099 ; v1(32.004,14.351) R50.1@32.004,13.335 32.16,13.335 37.748,7.747 45.343,7.747 46.076,7.015 P17.3@46.076,3.991 ; v3(45.515,37.924) U1.4@48.514,37.924 ; v1(56.388,54.483) 77.47,54.483 79.604,56.617 v1(79.604,64.008) ; v1(85.725,70.358) 101.981,70.358 103.505,71.882 R56.2@104.394,71.882
  Top Layer w1.27: 13.716,39.675 13.837,39.554 C4.2@16.129,39.554 21.279,39.554 C2.1@21.336,39.497 C2.1@21.59,39.751 ; v3(21.971,44.831) C13.2@21.971,42.926 21.971,40.132 C2.1@21.59,39.751 ; VR1.3@26.035,31.905 26.035,34.671 24.511,36.195 24.511,39.751 ; L1.2@27.281,39.139 ccw(c25.805,37.663) 25.805,39.751 ccw(c25.805,41.839) L1.2@27.281,40.363 ; L1.2@27.893,39.751 24.511,39.751 ; C2.1@21.59,39.751 24.511,39.751
  Bottom Layer w0.508: v1(14.072,20.066) 15.773,18.364 v1(16.561,18.364) ; v2(20.193,14.097) 23.901,14.097 24.968,13.03 30.683,13.03 v1(32.004,14.351) ; P5.1@85.511,96.641 85.598,96.553 v3(85.598,85.598) ; v1(85.725,70.358) v3@85.725,85.725
  Bottom Layer w0.762: v1(13.716,46.99) 14.922,48.197 50.102,48.197 v1(56.388,54.483) ; v3(21.971,44.831) 38.608,44.831 v3(45.515,37.924) ; v1(79.604,64.008) 83.414,64.008 85.725,66.319 v1(85.725,70.358)